# KiCad board register-backplane.kicad_pcb (continued)
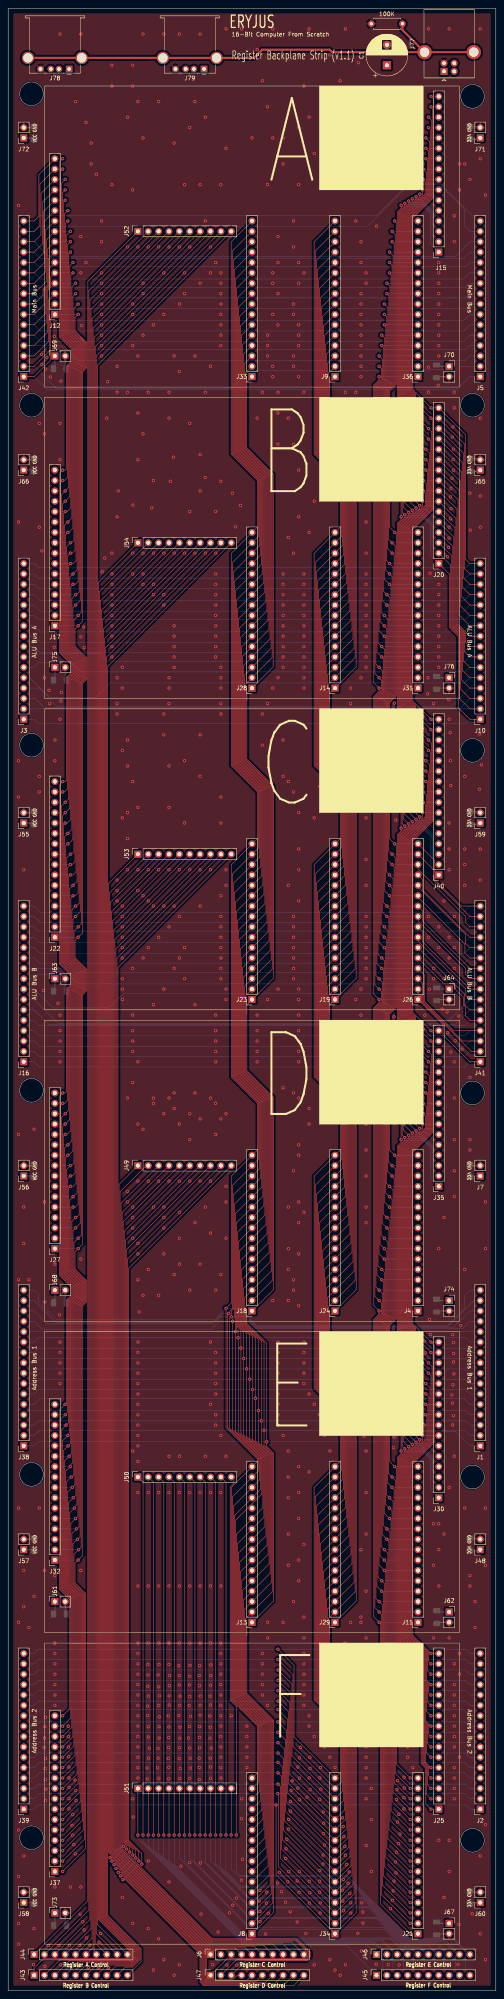
[diagram p0: board, top side]
## Routing (per net, layer and track width the routed paths; a pad name or vN(x,y) marks a point on that pad's centre or on a via; arc(x,y) is an arc through that point) (continued)
AddrBus2Assert_A: length 249
  Top w0.127: v1(28.09,27.2) 28.7,27.2 46.97,8.94 46.97,2.14 47.86,1.25 69.83,1.25 J47.10 ; J49.10 29.41,176.73 29.41,36.9 32.72,33.6 v1(32.72,30.99)
  Bottom w0.127: v1(32.72,30.99) 31.88,30.99 v1(28.09,27.2)
AddrBus2Assert_B: length 163.4
  Top w0.127: J50.10 55.24,125.1 55.24,124.13 54.36,123.24 54.36,71.09 55.88,69.57 55.88,38.15 v1(55.85,38.13)
  Bottom w0.127: J46.10 109.14,12.78 105.77,12.78 105.76,12.77 98.35,12.77 82.96,28.17 56.92,28.17 55.88,29.21 55.88,38.1 v1(55.85,38.13)
AddrBus2Assert_C: length 91.7
  Top w0.127: v1(54.58,38.13) 54.61,38.15 J51.10
  Bottom w0.127: J45.10 111.99,4.85 111.99,9.57 109.04,12.52 105.87,12.52 105.87,12.52 98.25,12.52 82.85,27.91 56.51,27.91 54.58,29.85 v1(54.58,38.13)
AddrBus2Assert_D: length 438.3
  Top w0.127: J44.10 21.79,16.31 21.79,397.71 J52.10
AddrBus2Assert_E: length 311.1
  Top w0.127: J53.10 26.87,250.39 26.87,34.78 49.69,11.96 69.32,11.96 J6.10
AddrBus2Assert_F: length 367.8
  Top w0.127: J54.10 24.33,324.05 24.33,18.47 32.54,10.27 32.54,7.14 J43.10
AddrBus2Bit0: length 567
  Top w0.127: 78.71,163.17 78.71,149.03 85.19,142.55 85.19,95.38 80.01,90.2 ; 78.71,163.17 78.71,165.1 ; 78.71,163.17 78.71,165.1 ; 78.71,87.12 78.71,88.87 ; 78.71,87.12 78.71,88.87 ; 78.71,87.12 78.71,72.8 85.19,66.32 85.19,19.15 J34.1 65.58,28.4 65.58,45.49 ; 78.71,239.24 78.71,225.2 85.19,218.72 85.19,171.55 J24.1 ; 78.71,239.24 78.71,241.27 ; 78.71,239.24 78.71,241.27 ; 78.71,393.67 J9.1 ; 78.71,393.67 78.71,392.46 ; 78.71,393.67 78.71,392.46 ; 78.71,315.39 78.71,317.47 ; 78.71,315.39 78.71,301.4 85.19,294.92 85.19,247.75 J19.1 78.71,241.27 ; 78.71,315.39 78.71,317.47 ; 78.71,317.47 J14.1 85.19,323.95 85.19,371.12 78.71,377.6 78.71,392.46 ; 78.71,165.1 80.01,166.4 ; 78.71,88.87 J29.1
  Bottom w0.127: J39.1 6.35,44.45 7.39,45.49 111.99,45.49 113.03,44.45 J2.1
  vias: v1(65.56,45.49)
AddrBus2Bit1: length 558.2
  Top w0.127: J24.2 84.94,173.84 84.94,218.62 78.46,225.09 78.46,243.56 J19.2 84.94,250.04 84.94,294.82 78.46,301.29 78.46,319.76 J14.2 84.94,326.24 84.94,371.02 78.46,377.49 78.46,395.96 J9.2 ; 80.01,92.74 84.94,97.66 84.94,142.44 78.46,148.92 78.46,167.39 80.01,168.94 ; J29.2 78.46,91.16 78.46,72.69 84.94,66.22 84.94,21.44 J34.2 66.17,30.35 66.17,48.13 66.04,48.26
  Bottom w0.127: J39.2 6.35,46.99 7.62,48.26 111.76,48.26 113.03,46.99 J2.2
  vias: v1(65.99,48.26)
AddrBus2Bit2: length 557.8
  Top w0.127: 80.01,171.48 78.21,169.67 78.21,148.81 84.68,142.34 84.68,99.95 80.01,95.28 ; J24.3 84.68,176.12 84.68,218.51 78.21,224.99 78.21,245.85 J19.3 84.68,252.32 84.68,294.71 78.21,301.19 78.21,322.05 J14.3 84.68,328.52 84.68,370.91 78.21,377.39 78.21,398.25 J9.3 ; v1(66.04,50.57) 66.63,49.98 66.63,32.43 J34.3 84.68,23.72 84.68,66.11 78.21,72.59 78.21,93.45 J29.3
  Bottom w0.127: J2.3 113.03,49.53 111.99,50.57 v1(66.04,50.57) 7.39,50.57 6.35,49.53 J39.3
AddrBus2Bit3: length 558.2
  Top w0.127: J29.4 77.95,95.73 77.95,72.48 84.43,66.01 84.43,26.01 J34.4 66.88,34.72 66.88,52.5 v1(66.04,53.34) ; 80.01,174.02 77.95,171.96 77.95,148.71 84.43,142.23 84.43,102.24 80.01,97.82 ; J9.4 77.95,400.53 77.95,377.28 84.43,370.81 84.43,330.81 J14.4 77.95,324.33 77.95,301.08 84.43,294.61 84.43,254.61 J19.4 77.95,248.13 77.95,224.88 84.43,218.41 84.43,178.41 J24.4
  Bottom w0.127: J2.4 113.03,52.07 111.76,53.34 v1(66.04,53.34) 7.62,53.34 6.35,52.07 J39.4
AddrBus2Bit4: length 558.2
  Top w0.127: J29.5 77.7,98.02 77.7,72.38 84.18,65.9 84.18,28.3 J34.5 67.14,37 67.14,54.78 v1(66.04,55.88) ; J24.5 84.18,180.7 84.18,218.3 77.7,224.78 77.7,250.42 J19.5 84.18,256.9 84.18,294.5 77.7,300.98 77.7,326.62 J14.5 84.18,333.1 84.18,370.7 77.7,377.18 77.7,402.82 J9.5 ; 80.01,176.56 77.7,174.24 77.7,148.6 84.18,142.13 84.18,104.52 80.01,100.36
  Bottom w0.127: J39.5 6.35,54.61 7.62,55.88 v1(66.04,55.88) 111.76,55.88 113.03,54.61 J2.5
AddrBus2Bit5: length 557.8
  Top w0.127: J9.6 77.44,405.1 77.44,377.07 83.92,370.6 83.92,335.38 J14.6 77.44,328.9 77.44,300.87 83.92,294.4 83.92,259.18 J19.6 77.44,252.7 77.44,224.67 83.92,218.2 83.92,182.98 J24.6 ; 80.01,179.1 77.44,176.53 77.44,148.5 83.92,142.02 83.92,106.81 80.01,102.9 ; v1(66.04,58.19) 67.39,56.84 67.39,39.29 J34.6 83.92,30.58 83.92,65.8 77.44,72.27 77.44,100.3 J29.6
  Bottom w0.127: J2.6 113.03,57.15 111.99,58.19 v1(66.04,58.19) 7.39,58.19 6.35,57.15 J39.6
AddrBus2Bit6: length 557.8
  Top w0.127: J9.7 77.19,407.39 77.19,376.97 83.67,370.49 83.67,337.67 J14.7 77.19,331.19 77.19,300.77 83.67,294.29 83.67,261.47 J19.7 77.19,254.99 77.19,224.57 83.67,218.09 83.67,185.27 J24.7 ; 80.01,181.64 77.19,178.82 77.19,148.39 83.67,141.92 83.67,109.09 80.01,105.44 ; J29.7 77.19,102.59 77.19,72.17 83.67,65.69 83.67,32.87 J34.7 67.65,41.57 67.65,59.12 v1(66.04,60.73)
  Bottom w0.127: J39.7 6.35,59.69 7.39,60.73 v1(66.04,60.73) 111.99,60.73 113.03,59.69 J2.7
AddrBus2Bit7: length 557.8
  Top w0.127: J29.8 76.94,104.88 76.94,72.06 83.41,65.59 83.41,35.15 J34.8 67.94,43.81 67.94,61.37 v1(66.04,63.27) ; 80.01,184.18 76.94,181.1 76.94,148.29 83.41,141.81 83.41,111.38 80.01,107.98 ; J9.8 76.94,409.68 76.94,376.86 83.41,370.39 83.41,339.95 J14.8 76.94,333.48 76.94,300.66 83.41,294.19 83.41,263.75 J19.8 76.94,257.28 76.94,224.46 83.41,217.99 83.41,187.55 J24.8
  Bottom w0.127: J2.8 113.03,62.23 111.99,63.27 v1(66.04,63.27) 7.39,63.27 6.35,62.23 J39.8
AddrBus2Bit8: length 557.8
  Top w0.127: 80.01,110.52 83.16,113.67 83.16,141.71 76.68,148.18 76.68,183.39 80.01,186.72 ; J9.9 76.68,411.96 76.68,376.76 83.16,370.28 83.16,342.24 J14.9 76.68,335.76 76.68,300.56 83.16,294.08 83.16,266.04 J19.9 76.68,259.56 76.68,224.36 83.16,217.88 83.16,189.84 J24.9 ; J29.9 76.68,107.16 76.68,71.96 83.16,65.48 83.16,37.44 J34.9 68.2,46.1 68.2,63.65 v1(66.04,65.81)
  Bottom w0.127: J39.9 6.35,64.77 7.39,65.81 v1(66.04,65.81) 111.99,65.81 113.03,64.77 J2.9
AddrBus2Bit9: length 558.6
  Top w0.127: J24.10 82.91,192.13 82.91,217.78 76.43,224.25 76.43,261.85 J19.10 82.91,268.33 82.91,293.98 76.43,300.45 76.43,338.05 J14.10 82.91,344.53 82.91,370.18 76.43,376.65 76.43,414.25 J9.10 ; v1(66.04,68.81) 68.45,66.4 68.45,48.39 J34.10 82.91,39.73 82.91,65.38 76.43,71.85 76.43,109.45 J29.10 ; 80.01,189.26 76.43,185.67 76.43,148.08 82.91,141.6 82.91,115.95 80.01,113.06
  Bottom w0.127: J2.10 113.03,67.31 111.53,68.81 v1(66.04,68.81) 7.85,68.81 6.35,67.31 J39.10
AddrBus2BitA: length 557.8
  Top w0.127: J24.11 82.65,194.41 82.65,217.67 76.17,224.15 76.17,264.13 J19.11 82.65,270.61 82.65,293.87 76.17,300.35 76.17,340.33 J14.11 82.65,346.81 82.65,370.07 76.17,376.55 76.17,416.53 J9.11 ; 80.01,115.6 82.65,118.24 82.65,141.5 76.17,147.97 76.17,187.96 80.01,191.8 ; J29.11 76.17,111.73 76.17,71.75 82.65,65.27 82.65,42.01 J34.11 68.71,50.67 68.71,68.22 v1(66.04,70.89)
  Bottom w0.127: J39.11 6.35,69.85 7.39,70.89 v1(66.04,70.89) 111.99,70.89 113.03,69.85 J2.11
AddrBus2BitB: length 557.8
  Top w0.127: 80.01,194.34 75.92,190.25 75.92,147.87 82.4,141.39 82.4,120.52 80.01,118.14 ; J24.12 82.4,196.7 82.4,217.57 75.92,224.04 75.92,266.42 J19.12 82.4,272.9 82.4,293.77 75.92,300.24 75.92,342.62 J14.12 82.4,349.1 82.4,369.97 75.92,376.44 75.92,418.82 J9.12 ; J29.12 75.92,114.02 75.92,71.64 82.4,65.17 82.4,44.3 J34.12 68.96,52.96 68.96,70.51 v1(66.04,73.43)
  Bottom w0.127: J39.12 6.35,72.39 7.39,73.43 v1(66.04,73.43) 111.99,73.43 113.03,72.39 J2.12
AddrBus2BitC: length 557.8
  Top w0.127: J9.13 75.67,421.11 75.67,376.34 82.14,369.86 82.14,351.38 J14.13 75.67,344.91 75.67,300.14 82.14,293.66 82.14,275.18 J19.13 75.67,268.71 75.67,223.94 82.14,217.46 82.14,198.98 J24.13 ; 80.01,120.68 82.14,122.81 82.14,141.29 75.67,147.76 75.67,192.53 80.01,196.88 ; J29.13 75.67,116.31 75.67,71.54 82.14,65.06 82.14,46.58 J34.13 69.22,55.25 69.22,72.8 v1(66.04,75.97)
  Bottom w0.127: J39.13 6.35,74.93 7.39,75.97 v1(66.04,75.97) 111.99,75.97 113.03,74.93 J2.13
AddrBus2BitD: length 557.8
  Top w0.127: J24.14 81.89,201.27 81.89,217.36 75.41,223.83 75.41,270.99 J19.14 81.89,277.47 81.89,293.56 75.41,300.03 75.41,347.19 J14.14 81.89,353.67 81.89,369.76 75.41,376.23 75.41,423.39 J9.14 ; 80.01,199.42 75.41,194.82 75.41,147.66 81.89,141.18 81.89,125.1 80.01,123.22 ; J29.14 75.41,118.59 75.41,71.43 81.89,64.96 81.89,48.87 J34.14 69.47,57.53 69.47,75.08 v1(66.04,78.51)
  Bottom w0.127: J2.14 113.03,77.47 111.99,78.51 v1(66.04,78.51) 7.39,78.51 6.35,77.47 J39.14
AddrBus2BitE: length 557.8
  Top w0.127: 80.01,201.96 75.16,197.1 75.16,147.55 81.64,141.08 81.64,127.38 80.01,125.76 ; J24.15 81.64,203.56 81.64,217.25 75.16,223.73 75.16,273.28 J19.15 81.64,279.76 81.64,293.45 75.16,299.93 75.16,349.48 J14.15 81.64,355.96 81.64,369.65 75.16,376.13 75.16,425.68 J9.15 ; J29.15 75.16,120.88 75.16,71.33 81.64,64.85 81.64,51.16 J34.15 69.72,59.82 69.72,77.37 v1(66.04,81.05)
  Bottom w0.127: J39.15 6.35,80.01 7.39,81.05 v1(66.04,81.05) 111.99,81.05 113.03,80.01 J2.15
AddrBus2BitF: length 557.8
  Top w0.127: 80.01,128.3 81.38,129.67 81.38,140.97 74.9,147.45 74.9,199.39 80.01,204.5 ; J9.16 74.9,427.96 74.9,376.02 81.38,369.54 81.38,358.24 J14.16 74.9,351.76 74.9,299.82 81.38,293.34 81.38,282.04 J19.16 74.9,275.56 74.9,223.62 81.38,217.14 81.38,205.84 J24.16 ; v1(66.04,83.59) 69.98,79.65 69.98,62.1 J34.16 81.38,53.44 81.38,64.74 74.9,71.22 74.9,123.16 J29.16
  Bottom w0.127: J39.16 6.35,82.55 7.39,83.59 v1(66.04,83.59) 111.99,83.59 113.03,82.55 J2.16
ALUAAssert_A: length 237.2
  Top w0.127: v1(30.51,33.22) 30.51,34.73 28.65,36.58 28.65,183.59 J49.7 ; v1(26.39,29.95) 27.04,29.95 47.73,9.26 47.73,2.45 48.17,2.01 62.97,2.01 J47.7
  Bottom w0.127: v1(30.51,33.22) 29.67,33.22 v1(26.39,29.95)
ALUAAssert_B: length 161.3
  Top w0.127: J50.7 48.26,124.46 48.26,38.15 v1(48.23,38.13)
  Bottom w0.127: v1(48.23,38.13) 48.23,31.57 59.26,20.55 88.42,20.55 97.72,11.25 103.05,11.25 J46.7
ALUAAssert_C: length 90.1
  Top w0.127: J51.7 46.99,38.15 v1(46.96,38.13)
  Bottom w0.127: v1(46.96,38.13) 46.96,32.48 59.15,20.29 88.32,20.29 97.62,10.99 102.95,10.99 104.37,9.57 104.37,4.85 J45.7
ALUAAssert_D: length 432.6
  Top w0.127: J44.7 21.03,9.45 21.03,404.57 J52.7
ALUAAssert_E: length 301.6
  Top w0.127: J53.7 26.11,257.25 26.11,34.46 49.37,11.2 62.46,11.2 J6.7
ALUAAssert_F: length 371.4
  Top w0.127: J54.7 23.57,330.91 23.57,18.16 31.77,9.95 31.77,7.83 30.27,6.33 24.11,6.33 J43.7
ALUABit0: length 649
  Top w0.127: J10.1 113.03,311.15 110.21,313.97 110.21,331.41 108.1,333.52 108.1,346.56 J20.1 ; v1(103.5,44.45) 102.11,45.85 102.11,54.57 101.09,55.59 101.09,64.31 100.08,65.33 100.08,74.05 99.31,74.81 99.31,81.35 95.25,85.42 95.25,130.48 96.19,131.42 v1(96.19,132.08) 96.19,160.68 95.25,161.62 95.25,206.68 96.19,207.62 v1(96.19,208.28) 96.19,236.88 95.25,237.82 95.25,282.88 96.19,283.82 v1(96.19,284.48) 96.19,313.08 95.25,314.02 95.25,359.08 96.19,360.02 v1(96.19,360.68) 96.19,389.28 95.25,390.22 95.25,435.28 96.19,436.22 v1(96.19,436.88)
  Bottom w0.127: J35.1 103.45,198.81 103.45,206.17 101.54,208.08 96.39,208.08 v1(96.19,208.28) ; J25.1 v1(103.5,44.45) ; v1(96.19,284.48) 96.39,284.28 101.54,284.28 103.45,282.37 103.45,275.01 J40.1 ; v1(96.19,436.88) 96.39,436.68 101.54,436.68 103.45,434.77 103.45,427.41 J15.1 ; J3.1 6.35,311.15 7.39,310.11 111.99,310.11 113.03,311.15 J10.1 ; J30.1 103.45,122.61 103.45,129.97 101.54,131.88 96.39,131.88 v1(96.19,132.08) ; v1(96.19,360.68) 96.39,360.48 101.54,360.48 103.45,358.57 103.45,351.21 J20.1
ALUABit1: length 633.3
  Top w0.127: J10.2 113.03,313.69 110.47,316.25 110.47,331.52 108.36,333.63 108.36,348.84 J20.2 ; v1(103.5,46.99) 102.36,48.13 102.36,54.68 101.35,55.69 101.35,64.41 100.33,65.43 100.33,74.15 99.57,74.92 99.57,81.46 95.5,85.52 95.5,130.38 97.1,131.98 v1(97.1,132.59) 96.44,133.25 96.44,160.78 95.5,161.72 95.5,206.58 97.1,208.18 v1(97.1,208.79) 96.44,209.45 96.44,236.98 95.5,237.92 95.5,282.78 97.1,284.38 v1(97.1,284.99) 96.44,285.65 96.44,313.18 95.5,314.12 95.5,358.98 97.1,360.58 v1(97.1,361.19) 96.44,361.85 96.44,389.38 95.5,390.32 95.5,435.18 97.1,436.78 v1(97.1,437.39)
  Bottom w0.127: v1(97.1,437.39) 97.33,437.16 101.42,437.16 103.78,434.79 103.78,429.62 J15.2 ; J25.2 v1(103.5,46.99) ; J40.2 103.78,277.22 103.78,282.39 101.42,284.76 97.33,284.76 v1(97.1,284.99) ; J30.2 103.78,124.82 103.78,129.99 101.42,132.36 97.33,132.36 v1(97.1,132.59) ; J3.2 J10.2 ; J35.2 103.78,201.02 103.78,206.19 101.42,208.56 97.33,208.56 v1(97.1,208.79) ; v1(97.1,361.19) 97.33,360.96 101.42,360.96 103.78,358.59 103.78,353.42 J20.2
ALUABit2: length 620.5
  Top w0.127: v1(98.04,437.95) 98.04,437.36 95.76,435.07 95.76,390.43 96.7,389.49 96.7,363.09 v1(98.04,361.75) 98.04,361.16 95.76,358.87 95.76,314.23 96.7,313.29 96.7,286.89 v1(98.04,285.55) 98.04,284.96 95.76,282.67 95.76,238.03 96.7,237.09 96.7,210.69 v1(98.04,209.35) 98.04,208.76 95.76,206.47 95.76,161.83 96.7,160.89 96.7,134.49 v1(98.04,133.15) 98.04,132.56 95.76,130.27 95.76,85.63 99.82,81.56 99.82,75.02 100.58,74.26 100.58,65.54 101.6,64.52 101.6,55.8 102.62,54.78 102.62,50.42 v1(103.5,49.53) ; J20.3 108.61,351.13 108.61,333.73 110.72,331.63 110.72,318.54 113.03,316.23 J10.3
  Bottom w0.127: J35.3 104.04,203.3 104.04,206.3 101.32,209.02 98.37,209.02 v1(98.04,209.35) ; J3.3 6.6,316.23 8.89,313.94 110.74,313.94 113.03,316.23 J10.3 ; J15.3 104.04,431.9 104.04,434.9 101.32,437.62 98.37,437.62 v1(98.04,437.95) ; J30.3 104.04,127.1 104.04,130.1 101.32,132.82 98.37,132.82 v1(98.04,133.15) ; J25.3 v1(103.5,49.53) ; J40.3 104.04,279.5 104.04,282.5 101.32,285.22 98.37,285.22 v1(98.04,285.55) ; v1(98.04,361.75) 98.37,361.42 101.32,361.42 104.04,358.7 104.04,355.7 J20.3
ALUABit3: length 607.9
  Top w0.127: v1(98.93,438.48) 98.93,437.89 96.01,434.97 96.01,390.53 96.95,389.59 96.95,364.26 v1(98.93,362.28) 98.93,361.69 96.01,358.77 96.01,314.33 96.95,313.39 96.95,288.06 v1(98.93,286.08) 98.93,285.49 96.01,282.57 96.01,238.13 96.95,237.19 96.95,211.86 v1(98.93,209.88) 98.93,209.29 96.01,206.37 96.01,161.93 96.95,160.99 96.95,135.66 v1(98.93,133.68) 98.93,133.09 96.01,130.17 96.01,85.73 100.08,81.67 100.08,75.13 100.84,74.36 100.84,65.64 101.85,64.62 101.85,55.9 102.87,54.89 102.87,52.71 v1(103.5,52.07) ; J10.4 113.03,318.77 110.97,320.83 110.97,331.73 108.86,333.84 108.86,353.42 J20.4
  Bottom w0.127: J40.4 105.41,281.58 101.02,285.98 99.03,285.98 v1(98.93,286.08) ; v1(98.93,209.88) 99.03,209.78 101.02,209.78 105.41,205.38 J35.4 ; J10.4 113.03,318.77 108.46,314.2 12.09,314.2 7.51,318.77 J3.4 ; J25.4 v1(103.5,52.07) ; v1(98.93,438.48) 99.03,438.38 101.02,438.38 105.41,433.98 J15.4 ; v1(98.93,362.28) 99.03,362.18 101.02,362.18 105.41,357.78 J20.4 ; J30.4 105.41,129.18 101.02,133.58 99.03,133.58 v1(98.93,133.68)
ALUABit4: length 597.2
  Top w0.127: J10.5 113.03,321.31 111.23,323.11 111.23,331.84 109.12,333.94 109.12,355.7 J20.5 ; v1(103.5,54.61) 102.11,56.01 102.11,64.73 101.09,65.75 101.09,74.47 100.33,75.23 100.33,81.77 96.27,85.84 96.27,130.06 99.85,133.64 v1(99.85,134.24) 97.21,136.88 97.21,161.1 96.27,162.04 96.27,206.26 99.85,209.84 v1(99.85,210.44) 97.21,213.08 97.21,237.3 96.27,238.24 96.27,282.46 99.85,286.04 v1(99.85,286.64) 97.21,289.28 97.21,313.5 96.27,314.44 96.27,358.66 99.85,362.24 v1(99.85,362.84) 97.21,365.48 97.21,389.7 96.27,390.64 96.27,434.86 99.85,438.44 v1(99.85,439.04)
  Bottom w0.127: J25.5 v1(103.5,54.61) ; v1(99.85,286.64) 100.18,286.31 102.31,286.31 J40.5 ; J10.5 113.03,321.31 111.76,320.04 24.97,320.04 21.41,316.48 10.16,316.48 5.33,321.31 J3.5 ; J20.5 102.31,362.51 100.18,362.51 v1(99.85,362.84) ; v1(99.85,134.24) 100.18,133.91 102.31,133.91 J30.5 ; J35.5 102.31,210.11 100.18,210.11 v1(99.85,210.44) ; v1(99.85,439.04) 100.18,438.71 102.31,438.71 J15.5
ALUABit5: length 586.8
  Top w0.127: J10.6 113.03,323.85 111.48,325.4 111.48,331.94 109.37,334.05 109.37,357.99 J20.6 ; v1(100.76,439.62) 100.76,439 96.52,434.76 96.52,390.74 97.46,389.8 97.46,366.73 v1(100.76,363.42) 100.76,362.8 96.52,358.56 96.52,314.54 97.46,313.6 97.46,290.53 v1(100.76,287.22) 100.76,286.6 96.52,282.36 96.52,238.34 97.46,237.4 97.46,214.33 v1(100.76,211.02) 100.76,210.4 96.52,206.16 96.52,162.14 97.46,161.2 97.46,138.13 v1(100.76,134.82) 100.76,134.2 96.52,129.96 96.52,85.94 100.58,81.88 100.58,75.34 101.35,74.57 101.35,65.85 102.36,64.84 102.36,58.29 v1(103.5,57.15)
  Bottom w0.127: v1(100.76,211.02) 103.94,211.02 J35.6 ; J20.6 103.94,363.42 v1(100.76,363.42) ; v1(100.76,134.82) 103.94,134.82 J30.6 ; J3.6 6.35,323.85 7.46,324.96 15.55,324.96 17.78,322.74 111.92,322.74 113.03,323.85 J10.6 ; J25.6 v1(103.5,57.15) ; v1(100.76,287.22) 103.94,287.22 J40.6 ; J15.6 103.94,439.62 v1(100.76,439.62)
ALUABit6: length 580
  Top w0.127: J10.7 113.03,326.39 111.74,327.68 111.74,332.05 109.63,334.16 109.63,360.27 J20.7 ; v1(103.5,59.69) 102.62,60.58 102.62,64.94 101.6,65.96 101.6,74.68 100.84,75.44 100.84,81.98 96.77,86.05 96.77,129.85 101.45,134.53 101.45,135.89 97.71,139.62 97.71,161.31 96.77,162.25 96.77,206.05 101.45,210.73 v1(101.45,212.09) 97.71,215.82 97.71,237.51 96.77,238.45 96.77,282.25 101.45,286.93 v1(101.45,288.29) 97.71,292.02 97.71,313.71 96.77,314.65 96.77,358.45 101.45,363.13 v1(101.45,364.49) 97.71,368.22 97.71,389.91 96.77,390.85 96.77,434.65 101.45,439.33 v1(101.45,440.69)
  Bottom w0.127: J30.7 101.45,135.89 ; v1(101.45,288.29) J40.7 ; J3.7 6.35,326.39 7.14,327.18 7.74,327.18 7.74,327.18 22.45,327.18 24.28,325.35 111.99,325.35 113.03,326.39 J10.7 ; J25.7 v1(103.5,59.69) ; v1(101.45,212.09) J35.7 ; v1(101.45,364.49) J20.7 ; v1(101.45,440.69) J15.7
  vias: v1(101.37,135.89)
ALUABit7: length 580.9
  Top w0.127: 101.75,138.91 102.03,138.63 102.03,138.46 ; 101.75,138.91 101.8,138.86 v1(101.8,138.46) 102.04,138.22 102.04,134.76 97.03,129.75 97.03,86.15 101.09,82.09 101.09,75.56 101.85,74.8 101.85,66.06 102.87,65.05 102.87,62.87 v1(103.5,62.23) ; 101.75,138.91 97.97,142.7 97.97,161.41 97.03,162.35 97.03,205.95 102.11,211.03 102.11,214.12 v1(101.6,214.63) 97.97,218.26 97.97,237.61 97.03,238.55 97.03,282.15 102.11,287.23 102.11,290.32 v1(101.6,290.83) 97.97,294.46 97.97,313.81 97.03,314.75 97.03,358.35 102.11,363.43 102.11,366.52 v1(101.6,367.03) 97.97,370.66 97.97,390.01 97.03,390.95 97.03,434.55 102.07,439.59 102.07,442.76 v1(101.6,443.23) ; J20.8 109.88,362.56 109.88,334.26 111.99,332.15 111.99,329.97 113.03,328.93 J10.8
  Bottom w0.127: J10.8 113.03,328.93 111.53,327.43 7.85,327.43 6.35,328.93 J3.8 ; J25.8 v1(103.5,62.23) ; v1(101.6,214.63) J35.8 ; J30.8 101.83,138.43 v1(101.8,138.46) ; v1(101.6,290.83) J40.8 ; J15.8 v1(101.6,443.23) ; J20.8 v1(101.6,367.03)
ALUABit8: length 580.1
  Top w0.127: v1(103.5,64.77) 102.11,66.17 102.11,74.91 101.35,75.67 101.35,82.19 97.28,86.26 97.28,129.64 102.5,134.85 102.5,140.71 98.22,144.98 98.22,161.52 97.28,162.46 97.28,205.84 102.36,210.92 102.36,216.41 v1(101.6,217.17) 98.22,220.55 98.22,237.72 97.28,238.66 97.28,282.04 102.36,287.12 102.36,292.61 v1(101.6,293.37) 98.22,296.75 98.22,313.92 97.28,314.86 97.28,358.24 102.36,363.32 102.36,368.81 v1(101.6,369.57) 98.22,372.95 98.22,390.12 97.28,391.06 97.28,434.44 102.36,439.52 102.36,445.01 v1(101.6,445.77) ; J10.9 113.03,331.47 110.13,334.37 110.13,364.85 J20.9
  Bottom w0.127: 102.23,140.97 J30.9 ; v1(101.6,217.17) J35.9 ; v1(101.6,293.37) J40.9 ; J10.9 113.03,331.47 111.53,329.97 7.85,329.97 6.35,331.47 J3.9 ; J20.9 v1(101.6,369.57) ; J15.9 v1(101.6,445.77) ; J25.9 v1(103.5,64.77)
  vias: v1(102.11,140.97)
ALUABit9: length 577.3
  Top w0.127: v1(102.23,448.31) 102.62,447.93 102.62,439.42 97.54,434.34 97.54,391.16 98.48,390.22 98.48,375.87 v1(102.23,372.11) 102.62,371.73 102.62,363.22 97.54,358.14 97.54,314.96 98.48,314.02 98.48,299.67 v1(102.23,295.91) 102.62,295.53 102.62,287.02 97.54,281.94 97.54,238.76 98.48,237.82 98.48,223.47 v1(102.23,219.71) 102.62,219.33 102.62,210.82 97.54,205.74 97.54,162.56 98.48,161.62 98.48,147.27 v1(102.23,143.51) 102.75,143 102.75,134.75 97.54,129.54 97.54,86.36 101.6,82.3 101.6,75.78 102.36,75.01 102.36,68.45 v1(103.5,67.31) ; J20.10 110.39,367.13 110.39,336.65 113.03,334.01 J10.10
  Bottom w0.127: J3.10 6.35,334.01 7.85,332.51 111.53,332.51 113.03,334.01 J10.10 ; J35.10 v1(102.23,219.71) ; v1(102.23,295.91) J40.10 ; J25.10 v1(103.5,67.31) ; v1(102.23,143.51) J30.10 ; v1(102.23,372.11) J20.10 ; v1(102.23,448.31) J15.10
ALUABitA: length 576.9
  Top w0.127: v1(103.5,69.85) 102.62,70.74 102.62,75.12 101.85,75.88 101.85,82.4 97.79,86.47 97.79,129.43 103,134.64 103,145.28 v1(102.23,146.05) 98.73,149.56 98.73,161.73 97.79,162.67 97.79,205.63 102.87,210.71 102.87,221.62 v1(102.23,222.25) 98.73,225.76 98.73,237.93 97.79,238.87 97.79,281.83 102.87,286.91 102.87,297.82 v1(102.23,298.45) 98.73,301.96 98.73,314.13 97.79,315.07 97.79,358.03 102.87,363.11 102.87,374.01 v1(102.23,374.65) 98.73,378.16 98.73,390.33 97.79,391.27 97.79,434.23 102.87,439.31 102.87,450.22 v1(102.23,450.85) ; J10.11 113.03,336.55 110.64,338.94 110.64,369.42 J20.11
  Bottom w0.127: J3.11 6.35,336.55 7.39,335.51 111.99,335.51 113.03,336.55 J10.11 ; v1(102.23,298.45) J40.11 ; v1(102.23,146.05) J30.11 ; v1(102.23,450.85) J15.11 ; v1(102.23,374.65) J20.11 ; J25.11 v1(103.5,69.85) ; v1(102.23,222.25) J35.11
ALUABitB: length 577.3
  Top w0.127: v1(102.23,453.39) 103.12,452.5 103.12,439.21 98.04,434.13 98.04,391.37 98.98,390.43 98.98,380.44 v1(102.23,377.19) 103.12,376.3 103.12,363.01 98.04,357.93 98.04,315.17 98.98,314.23 98.98,304.24 v1(102.23,300.99) 103.12,300.1 103.12,286.81 98.04,281.73 98.04,238.97 98.98,238.03 98.98,228.04 v1(102.23,224.79) 103.12,223.9 103.12,210.61 98.04,205.53 98.04,162.77 98.98,161.83 98.98,151.84 v1(102.23,148.59) 103.26,147.57 103.26,134.54 98.04,129.33 98.04,86.57 102.11,82.51 102.11,75.99 102.87,75.22 102.87,73.03 v1(103.5,72.39) ; J10.12 113.03,339.09 110.9,341.22 110.9,371.7 J20.12
  Bottom w0.127: v1(102.23,224.79) J35.12 ; J10.12 113.03,339.09 111.53,337.59 7.85,337.59 6.35,339.09 J3.12 ; v1(102.23,300.99) J40.12 ; v1(102.23,148.59) J30.12 ; v1(102.23,453.39) J15.12 ; v1(102.23,377.19) J20.12 ; J25.12 v1(103.5,72.39)
ALUABitC: length 573.8
  Top w0.127: J10.13 113.03,341.63 111.15,343.51 111.15,373.99 J20.13 ; v1(102.87,455.93) 103.38,455.42 103.38,439.1 98.3,434.02 98.3,391.48 99.26,390.52 99.26,383.34 v1(102.87,379.73) 103.38,379.22 103.38,362.9 98.3,357.82 98.3,315.28 99.26,314.32 99.26,307.14 v1(102.87,303.53) 103.38,303.02 103.38,286.7 98.3,281.62 98.3,239.08 99.26,238.12 99.26,230.94 v1(102.87,227.33) 103.38,226.82 103.38,210.5 98.3,205.42 98.3,162.88 99.26,161.92 99.26,154.74 v1(102.87,151.13) 103.51,150.49 103.51,134.43 98.3,129.22 98.3,86.68 102.36,82.62 102.36,76.09 103.5,74.95 v1(103.5,74.93)
  Bottom w0.127: v1(102.87,303.53) J40.13 ; J3.13 6.35,341.63 7.85,340.13 111.53,340.13 113.03,341.63 J10.13 ; v1(102.87,151.13) J30.13 ; v1(102.87,455.93) J15.13 ; v1(102.87,227.33) J35.13 ; J25.13 v1(103.5,74.93) ; v1(102.87,379.73) J20.13
ALUABitD: length 573.4
  Top w0.127: J20.14 111.4,376.28 111.4,345.8 113.03,344.17 J10.14 ; v1(102.87,458.47) 103.63,457.71 103.63,439 98.55,433.92 98.55,391.58 99.51,390.62 99.51,385.63 v1(102.87,382.27) 103.63,381.51 103.63,362.8 98.55,357.72 98.55,315.38 99.51,314.42 99.51,309.43 v1(102.87,306.07) 103.63,305.31 103.63,286.6 98.55,281.52 98.55,239.18 99.51,238.22 99.51,233.23 v1(102.87,229.87) 103.63,229.11 103.63,210.4 98.55,205.32 98.55,162.98 99.51,162.02 99.51,157.03 v1(102.87,153.67) 103.77,152.77 103.77,134.33 98.55,129.12 98.55,86.78 102.62,82.72 102.62,78.36 v1(103.5,77.47)
  Bottom w0.127: v1(102.87,153.67) J30.14 ; v1(102.87,458.47) J15.14 ; J3.14 6.35,344.17 7.39,343.13 111.99,343.13 113.03,344.17 J10.14 ; v1(102.87,229.87) J35.14 ; J25.14 v1(103.5,77.47) ; v1(102.87,382.27) J20.14 ; v1(102.87,306.07) J40.14
ALUABitE: length 570
  Top w0.127: J10.15 113.03,346.71 111.66,348.08 111.66,378.56 J20.15 ; v1(103.5,461.01) 103.89,460.63 103.89,438.89 98.81,433.81 98.81,391.69 99.77,390.73 99.77,388.55 v1(103.5,384.81) 103.89,384.43 103.89,362.69 98.81,357.61 98.81,315.49 99.77,314.53 99.77,312.35 v1(103.5,308.61) 103.89,308.23 103.89,286.49 98.81,281.41 98.81,239.29 99.77,238.33 99.77,236.15 v1(103.5,232.41) 103.89,232.03 103.89,210.29 98.81,205.21 98.81,163.09 99.77,162.13 99.77,159.95 v1(103.5,156.21) 104.02,155.7 104.02,134.22 98.81,129.01 98.81,86.89 102.87,82.83 102.87,80.65 v1(103.5,80.01)
  Bottom w0.127: v1(103.5,461.01) J15.15 ; J10.15 113.03,346.71 111.99,345.67 7.39,345.67 6.35,346.71 J3.15 ; v1(103.5,308.61) J40.15 ; v1(103.5,156.21) J30.15 ; v1(103.5,232.41) J35.15 ; v1(103.5,384.81) J20.15 ; J25.15 v1(103.5,80.01)
ALUABitF: length 570
  Top w0.127: J20.16 111.91,380.85 111.91,350.37 113.03,349.25 J10.16 ; v1(103.5,82.55) 99.06,87 99.06,128.91 104.27,134.12 104.27,157.98 v1(103.5,158.75) 99.06,163.2 99.06,205.11 104.14,210.19 104.14,234.31 v1(103.5,234.95) 99.06,239.4 99.06,281.31 104.14,286.38 104.14,310.51 v1(103.5,311.15) 99.06,315.6 99.06,357.5 104.14,362.59 104.14,386.72 v1(103.5,387.35) 99.06,391.8 99.06,433.71 104.14,438.79 104.14,462.92 v1(103.5,463.55)
  Bottom w0.127: v1(103.5,463.55) J15.16 ; J25.16 v1(103.5,82.55) ; J3.16 6.35,349.25 7.39,348.21 111.99,348.21 113.03,349.25 J10.16 ; v1(103.5,311.15) J40.16 ; v1(103.5,387.35) J20.16 ; v1(103.5,158.75) J30.16 ; v1(103.5,234.95) J35.16